# KiCad board panel.kicad_pcb (continued)
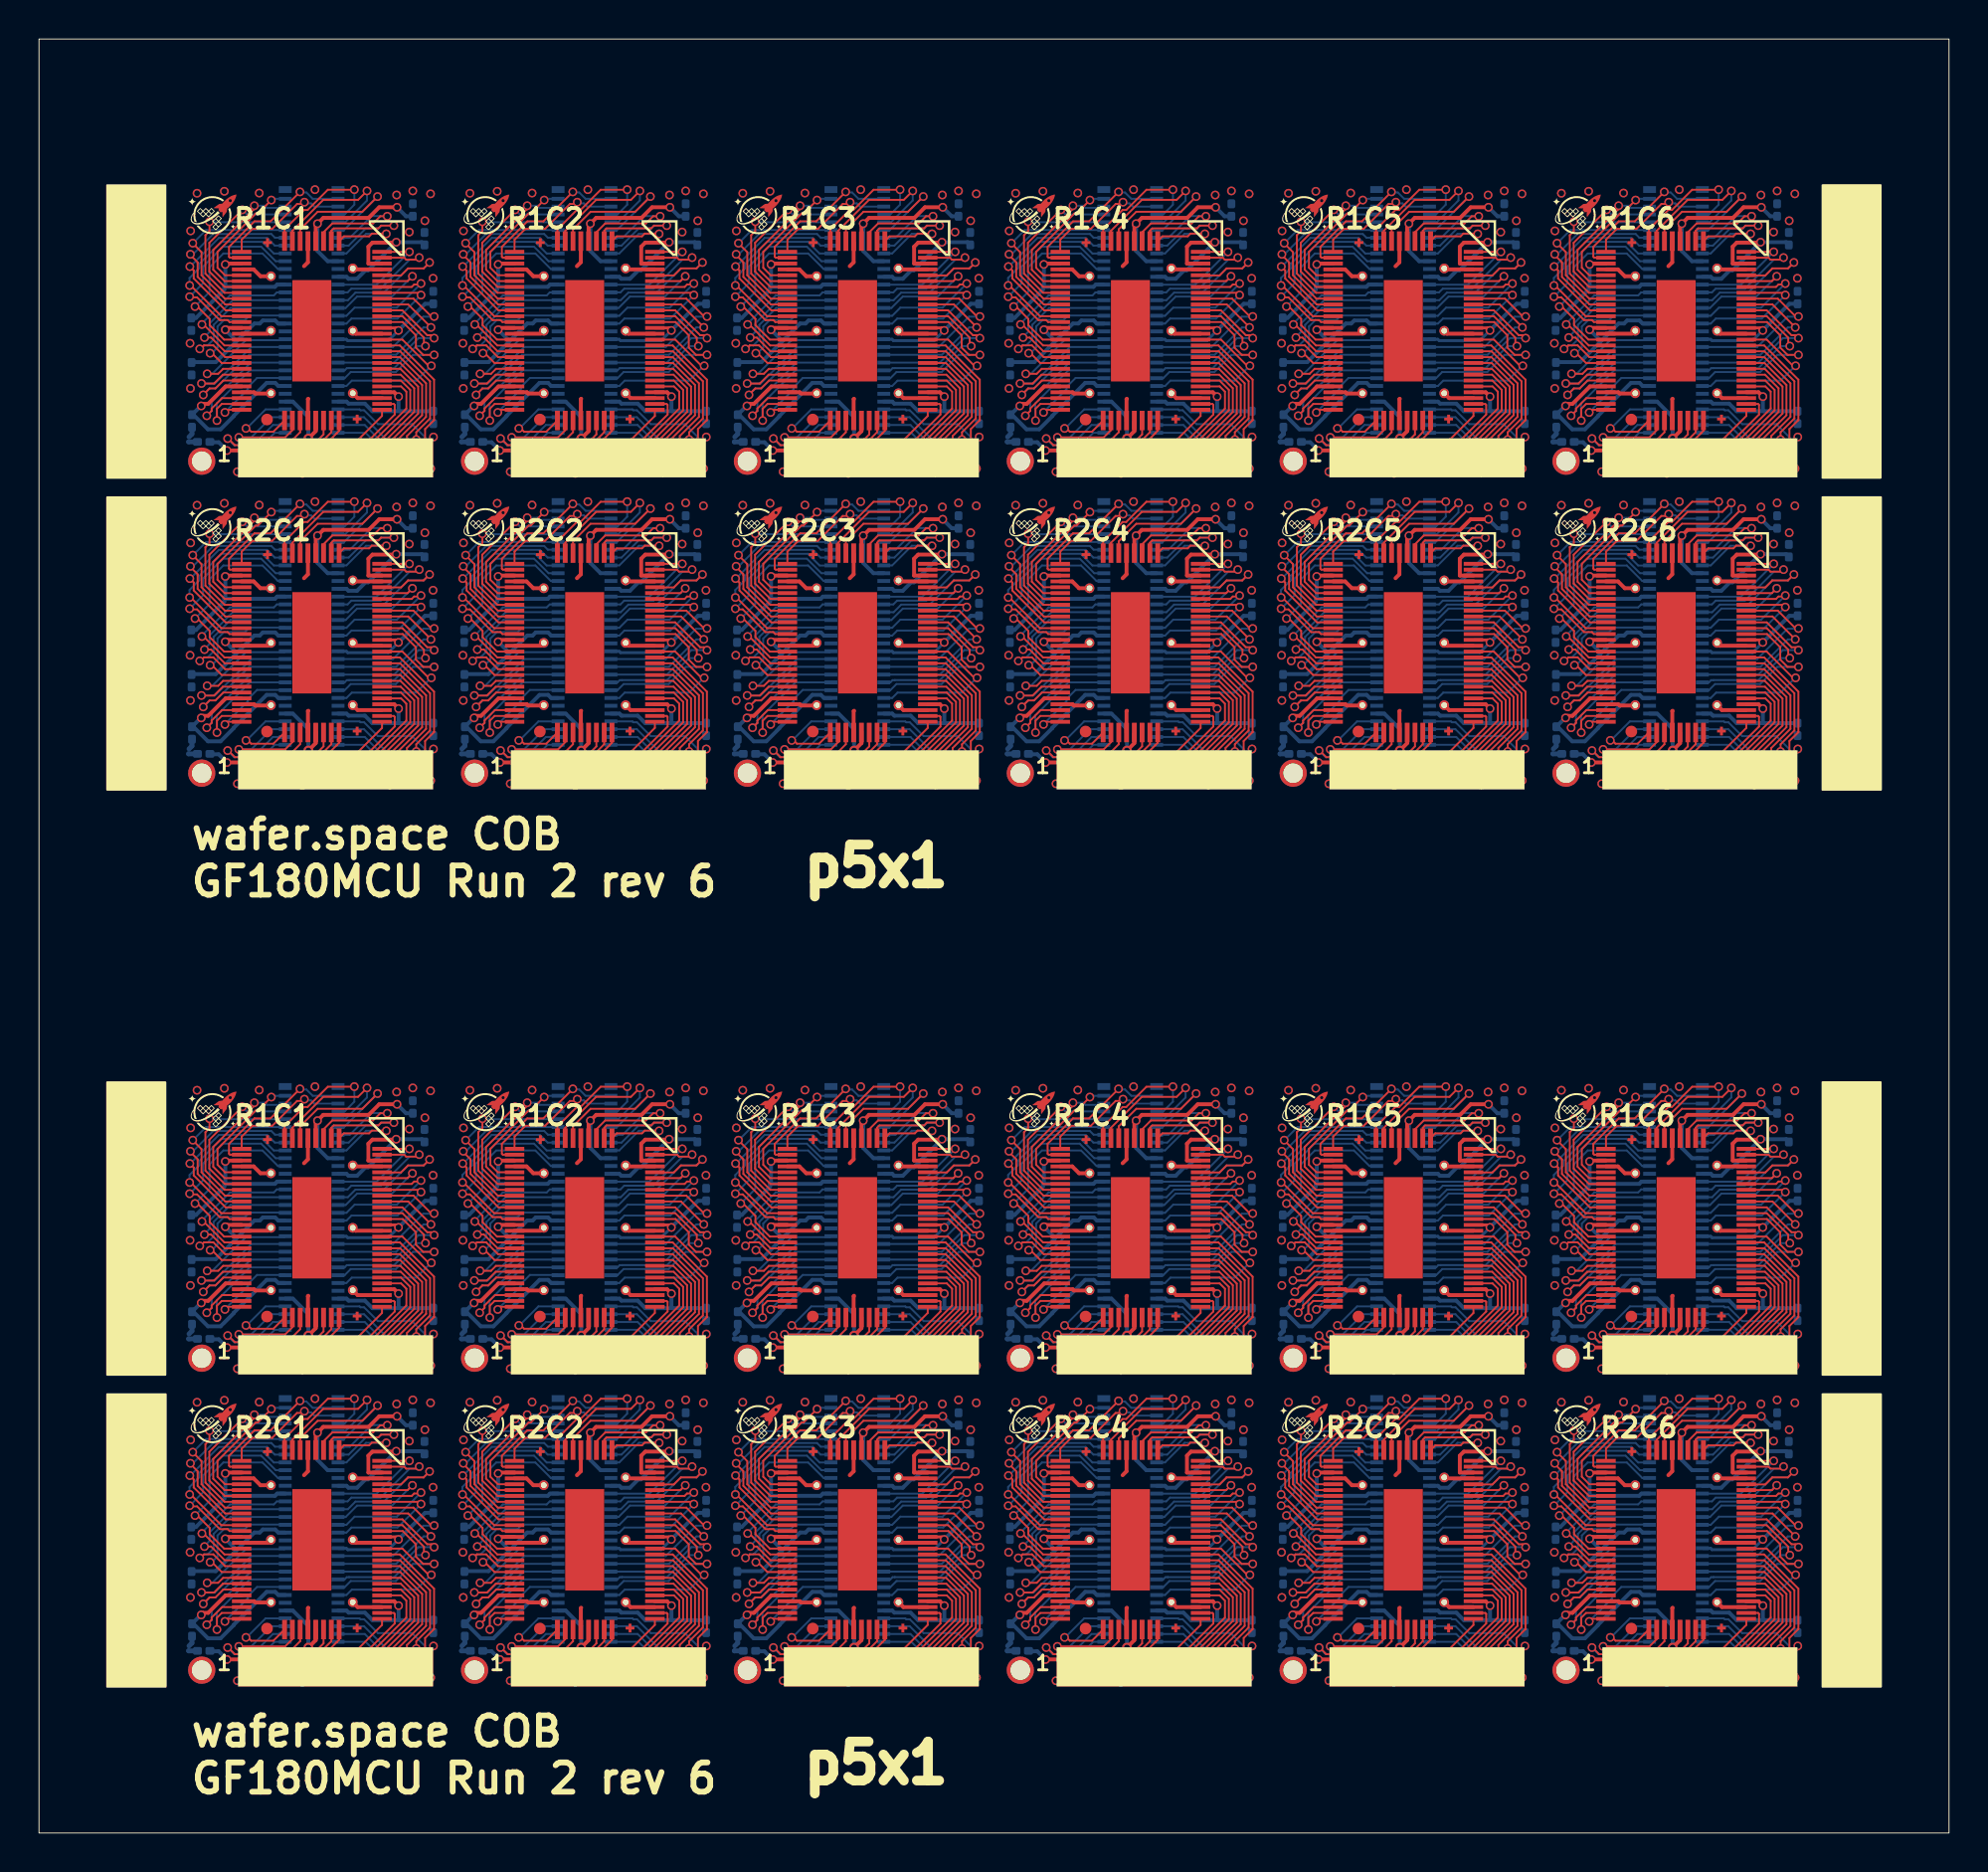
[diagram p0: board, top side]
## Routing (per net, layer and track width the routed paths; a pad name or vN(x,y) marks a point on that pad's centre or on a via; arc(x,y) is an arc through that point) (continued)
  Bottom w0.1: 12.64,80.21 12.26,80.21 11.47,81 9.46,81 8.75,80.29 8.75,79.02 v1(8.01,78.28) ; 54.64,34.21 54.26,34.21 53.47,35 51.46,35 50.75,34.29 50.75,33.02 v1(50.01,32.28) ; v1(36.01,62.28) 36.75,63.02 36.75,64.29 37.46,65 39.47,65 40.26,64.21 40.64,64.21 ; v1(50.01,62.28) 50.75,63.02 50.75,64.29 51.46,65 53.47,65 54.26,64.21 54.64,64.21 ; 54.64,80.21 54.26,80.21 53.47,81 51.46,81 50.75,80.29 50.75,79.02 v1(50.01,78.28) ; 12.64,18.21 12.26,18.21 11.47,19 9.46,19 8.75,18.29 8.75,17.02 v1(8.01,16.28) ; v1(22.01,32.28) 22.75,33.02 22.75,34.29 23.46,35 25.47,35 26.26,34.21 26.64,34.21 ; v1(22.01,62.28) 22.75,63.02 22.75,64.29 23.46,65 25.47,65 26.26,64.21 26.64,64.21 ; v1(64.01,62.28) 64.75,63.02 64.75,64.29 65.46,65 67.47,65 68.26,64.21 68.64,64.21 ; 54.64,18.21 54.26,18.21 53.47,19 51.46,19 50.75,18.29 50.75,17.02 v1(50.01,16.28) ; v1(78.01,32.28) 78.75,33.02 78.75,34.29 79.46,35 81.47,35 82.26,34.21 U111.26 ; v1(36.01,32.28) 36.75,33.02 36.75,34.29 37.46,35 39.47,35 40.26,34.21 40.64,34.21 ; 68.64,80.21 68.26,80.21 67.47,81 65.46,81 64.75,80.29 64.75,79.02 v1(64.01,78.28) ; U123.26 82.26,18.21 81.47,19 79.46,19 78.75,18.29 78.75,17.02 v1(78.01,16.28) ; 40.64,80.21 40.26,80.21 39.47,81 37.46,81 36.75,80.29 36.75,79.02 v1(36.01,78.28) ; U123#2.26 82.26,64.21 81.47,65 79.46,65 78.75,64.29 78.75,63.02 v1(78.01,62.28) ; 40.64,18.21 40.26,18.21 39.47,19 37.46,19 36.75,18.29 36.75,17.02 v1(36.01,16.28) ; v1(8.01,32.28) 8.75,33.02 8.75,34.29 9.46,35 11.47,35 12.26,34.21 12.64,34.21 ; v1(8.01,62.28) 8.75,63.02 8.75,64.29 9.46,65 11.47,65 12.26,64.21 12.64,64.21 ; v1(64.01,32.28) 64.75,33.02 64.75,34.29 65.46,35 67.47,35 68.26,34.21 68.64,34.21 ; v1(64.01,16.28) 64.75,17.02 64.75,18.29 65.46,19 67.47,19 68.26,18.21 68.64,18.21 ; 26.64,18.21 26.26,18.21 25.47,19 23.46,19 22.75,18.29 22.75,17.02 v1(22.01,16.28) ; v1(78.01,78.28) 78.75,79.02 78.75,80.29 79.46,81 81.47,81 82.26,80.21 82.64,80.21 ; 26.64,80.21 26.26,80.21 25.47,81 23.46,81 22.75,80.29 22.75,79.02 v1(22.01,78.28)
/bidir_34: length 179.3
  Top w0.1: U112.61 79.52,30.29 78.44,31.36 v1(78.36,31.36) ; v1(64.36,61.36) 64.44,61.36 65.52,60.29 U122.61 ; v1(50.36,61.36) 50.44,61.36 51.52,60.29 U120#2.61 ; v1(78.36,77.36) 78.44,77.36 79.52,76.29 U112#2.61 ; U106.61 37.52,30.29 36.44,31.36 v1(36.36,31.36) ; U104.61 23.52,76.29 22.44,77.36 v1(22.36,77.36) ; U116.61 23.52,60.29 22.44,61.36 v1(22.36,61.36) ; U108#2.61 51.52,76.29 50.44,77.36 v1(50.36,77.36) ; U102#2.61 9.52,30.29 8.44,31.36 v1(8.36,31.36) ; v1(22.36,15.36) 22.44,15.36 23.52,14.29 U116#2.61 ; U124.61 79.52,14.29 78.44,15.36 v1(78.36,15.36) ; v1(8.36,15.36) 8.44,15.36 9.52,14.29 U114#2.61 ; v1(36.36,61.36) 36.44,61.36 37.52,60.29 U118#2.61 ; v1(22.36,31.36) 22.44,31.36 23.52,30.29 U104#2.61 ; U102.61 9.52,76.29 8.44,77.36 v1(8.36,77.36) ; v1(64.36,77.36) 64.44,77.36 65.52,76.29 U110.61 ; U124#2.61 79.52,60.29 78.44,61.36 v1(78.36,61.36) ; v1(64.36,15.36) 64.44,15.36 65.52,14.29 U122#2.61 ; U108.61 51.52,30.29 50.44,31.36 v1(50.36,31.36) ; U106#2.61 37.52,76.29 36.44,77.36 v1(36.36,77.36) ; v1(64.36,31.36) 64.44,31.36 65.52,30.29 U110#2.61 ; v1(50.36,15.36) 50.44,15.36 51.52,14.29 U120.61 ; U114.61 9.52,60.29 8.44,61.36 v1(8.36,61.36) ; U118.61 37.52,14.29 36.44,15.36 v1(36.36,15.36)
  Bottom w0.1: v1(8.36,77.36) 8.36,77.41 9.8,78.85 12.05,78.85 12.2,79.01 12.64,79.01 ; 68.64,79.01 68.2,79.01 68.05,78.85 65.8,78.85 64.36,77.41 v1(64.36,77.36) ; 40.64,63.01 40.2,63.01 40.05,62.85 37.8,62.85 36.36,61.41 v1(36.36,61.36) ; v1(78.36,31.36) 78.36,31.41 79.8,32.85 82.05,32.85 82.2,33.01 U111.23 ; v1(78.36,77.36) 78.36,77.41 79.8,78.85 82.05,78.85 82.2,79.01 U111#2.23 ; v1(8.36,61.36) 8.36,61.41 9.8,62.85 12.05,62.85 12.2,63.01 12.64,63.01 ; 54.64,63.01 54.2,63.01 54.05,62.85 51.8,62.85 50.36,61.41 v1(50.36,61.36) ; v1(22.36,61.36) 22.36,61.41 23.8,62.85 26.05,62.85 26.2,63.01 26.64,63.01 ; v1(64.36,31.36) 64.36,31.41 65.8,32.85 68.05,32.85 68.2,33.01 68.64,33.01 ; 68.64,63.01 68.2,63.01 68.05,62.85 65.8,62.85 64.36,61.41 v1(64.36,61.36) ; 68.64,17.01 68.2,17.01 68.05,16.85 65.8,16.85 64.36,15.41 v1(64.36,15.36) ; v1(36.36,15.36) 36.36,15.41 37.8,16.85 40.05,16.85 40.2,17.01 40.64,17.01 ; 54.64,33.01 54.2,33.01 54.05,32.85 51.8,32.85 50.36,31.41 v1(50.36,31.36) ; v1(8.36,31.36) 8.36,31.41 9.8,32.85 12.05,32.85 12.2,33.01 12.64,33.01 ; v1(22.36,31.36) 22.36,31.41 23.8,32.85 26.05,32.85 26.2,33.01 26.64,33.01 ; U123#2.23 82.2,63.01 82.05,62.85 79.8,62.85 78.36,61.41 v1(78.36,61.36) ; 12.64,17.01 12.2,17.01 12.05,16.85 9.8,16.85 8.36,15.41 v1(8.36,15.36) ; v1(50.36,15.36) 50.36,15.41 51.8,16.85 54.05,16.85 54.2,17.01 54.64,17.01 ; 54.64,79.01 54.2,79.01 54.05,78.85 51.8,78.85 50.36,77.41 v1(50.36,77.36) ; U123.23 82.2,17.01 82.05,16.85 79.8,16.85 78.36,15.41 v1(78.36,15.36) ; 26.64,17.01 26.2,17.01 26.05,16.85 23.8,16.85 22.36,15.41 v1(22.36,15.36) ; v1(36.36,77.36) 36.36,77.41 37.8,78.85 40.05,78.85 40.2,79.01 40.64,79.01 ; v1(22.36,77.36) 22.36,77.41 23.8,78.85 26.05,78.85 26.2,79.01 26.64,79.01 ; v1(36.36,31.36) 36.36,31.41 37.8,32.85 40.05,32.85 40.2,33.01 40.64,33.01
/bidir_35: length 177.9
  Top w0.1: U112.62 79.53,29.98 78.83,30.69 v1(78.49,30.69) ; v1(64.49,76.69) 64.83,76.69 65.53,75.98 U110.62 ; v1(8.49,14.69) 8.83,14.69 9.53,13.98 U114#2.62 ; U122.62 65.53,59.98 64.83,60.69 v1(64.49,60.69) ; v1(36.49,14.69) 36.83,14.69 37.53,13.98 U118.62 ; v1(8.49,30.69) 8.83,30.69 9.53,29.98 U102#2.62 ; U124.62 79.53,13.98 78.83,14.69 v1(78.49,14.69) ; U106#2.62 37.53,75.98 36.83,76.69 v1(36.49,76.69) ; U124#2.62 79.53,59.98 78.83,60.69 v1(78.49,60.69) ; U110#2.62 65.53,29.98 64.83,30.69 v1(64.49,30.69) ; U116#2.62 23.53,13.98 22.83,14.69 v1(22.49,14.69) ; U104.62 23.53,75.98 22.83,76.69 v1(22.49,76.69) ; U108.62 51.53,29.98 50.83,30.69 v1(50.49,30.69) ; U108#2.62 51.53,75.98 50.83,76.69 v1(50.49,76.69) ; v1(50.49,14.69) 50.83,14.69 51.53,13.98 U120.62 ; v1(36.49,30.69) 36.83,30.69 37.53,29.98 U106.62 ; U120#2.62 51.53,59.98 50.83,60.69 v1(50.49,60.69) ; v1(78.49,76.69) 78.83,76.69 79.53,75.98 U112#2.62 ; U118#2.62 37.53,59.98 36.83,60.69 v1(36.49,60.69) ; v1(22.49,30.69) 22.83,30.69 23.53,29.98 U104#2.62 ; v1(64.49,14.69) 64.83,14.69 65.53,13.98 U122#2.62 ; v1(8.49,60.69) 8.83,60.69 9.53,59.98 U114.62 ; v1(8.49,76.69) 8.83,76.69 9.53,75.98 U102.62 ; U116.62 23.53,59.98 22.83,60.69 v1(22.49,60.69)
  Bottom w0.1: v1(8.49,14.69) 8.49,14.72 8.76,14.99 8.76,15.42 9.94,16.61 12.64,16.61 ; U111#2.22 79.94,78.61 78.76,77.42 78.76,76.99 78.49,76.72 v1(78.49,76.69) ; v1(78.49,60.69) 78.49,60.72 78.76,60.99 78.76,61.42 79.94,62.61 U123#2.22 ; v1(50.49,30.69) 50.49,30.72 50.76,30.99 50.76,31.42 51.94,32.61 54.64,32.61 ; 26.64,16.61 23.94,16.61 22.76,15.42 22.76,14.99 22.49,14.72 v1(22.49,14.69) ; 26.64,32.61 23.94,32.61 22.76,31.42 22.76,30.99 22.49,30.72 v1(22.49,30.69) ; v1(36.49,76.69) 36.49,76.72 36.76,76.99 36.76,77.42 37.94,78.61 40.64,78.61 ; 12.64,62.61 9.94,62.61 8.76,61.42 8.76,60.99 8.49,60.72 v1(8.49,60.69) ; 40.64,32.61 37.94,32.61 36.76,31.42 36.76,30.99 36.49,30.72 v1(36.49,30.69) ; v1(64.49,76.69) 64.49,76.72 64.76,76.99 64.76,77.42 65.94,78.61 68.64,78.61 ; v1(64.49,14.69) 64.49,14.72 64.76,14.99 64.76,15.42 65.94,16.61 68.64,16.61 ; 54.64,16.61 51.94,16.61 50.76,15.42 50.76,14.99 50.49,14.72 v1(50.49,14.69) ; 40.64,62.61 37.94,62.61 36.76,61.42 36.76,60.99 36.49,60.72 v1(36.49,60.69) ; 54.64,62.61 51.94,62.61 50.76,61.42 50.76,60.99 50.49,60.72 v1(50.49,60.69) ; 68.64,62.61 65.94,62.61 64.76,61.42 64.76,60.99 64.49,60.72 v1(64.49,60.69) ; 68.64,32.61 65.94,32.61 64.76,31.42 64.76,30.99 64.49,30.72 v1(64.49,30.69) ; v1(8.49,76.69) 8.49,76.72 8.76,76.99 8.76,77.42 9.94,78.61 12.64,78.61 ; v1(78.49,14.69) 78.49,14.72 78.76,14.99 78.76,15.42 79.94,16.61 U123.22 ; v1(8.49,30.69) 8.49,30.72 8.76,30.99 8.76,31.42 9.94,32.61 12.64,32.61 ; 26.64,62.61 23.94,62.61 22.76,61.42 22.76,60.99 22.49,60.72 v1(22.49,60.69) ; v1(50.49,76.69) 50.49,76.72 50.76,76.99 50.76,77.42 51.94,78.61 54.64,78.61 ; v1(36.49,14.69) 36.49,14.72 36.76,14.99 36.76,15.42 37.94,16.61 40.64,16.61 ; 26.64,78.61 23.94,78.61 22.76,77.42 22.76,76.99 22.49,76.72 v1(22.49,76.69) ; v1(78.49,30.69) 78.49,30.72 78.76,30.99 78.76,31.42 79.94,32.61 U111.22
/bidir_36: length 196
  Top w0.1: v1(8.25,76.11) 8.28,76.14 8.32,76.14 8.47,76.29 8.95,76.29 9.55,75.69 U102.63 ; 24.4,29.69 23.55,29.69 22.95,30.29 22.47,30.29 22.32,30.14 22.28,30.14 v1(22.25,30.11) ; 38.4,13.69 37.55,13.69 36.95,14.29 36.47,14.29 36.32,14.14 36.28,14.14 v1(36.25,14.11) ; U104.63 23.55,75.69 22.95,76.29 22.47,76.29 22.32,76.14 22.28,76.14 v1(22.25,76.11) ; U108#2.63 51.55,75.69 50.95,76.29 50.47,76.29 50.32,76.14 50.28,76.14 v1(50.25,76.11) ; 52.4,29.69 51.55,29.69 50.95,30.29 50.47,30.29 50.32,30.14 50.28,30.14 v1(50.25,30.11) ; v1(78.25,14.11) 78.28,14.14 78.32,14.14 78.47,14.29 78.95,14.29 79.55,13.69 80.4,13.69 ; 80.4,59.69 79.55,59.69 78.95,60.29 78.47,60.29 78.32,60.14 78.28,60.14 v1(78.25,60.11) ; 38.4,59.69 37.55,59.69 36.95,60.29 36.47,60.29 36.32,60.14 36.28,60.14 v1(36.25,60.11) ; v1(36.25,76.11) 36.28,76.14 36.32,76.14 36.47,76.29 36.95,76.29 37.55,75.69 U106#2.63 ; 38.4,29.69 37.55,29.69 36.95,30.29 36.47,30.29 36.32,30.14 36.28,30.14 v1(36.25,30.11) ; 10.4,29.69 9.55,29.69 8.95,30.29 8.47,30.29 8.32,30.14 8.28,30.14 v1(8.25,30.11) ; 66.4,13.69 65.55,13.69 64.95,14.29 64.47,14.29 64.32,14.14 64.28,14.14 v1(64.25,14.11) ; v1(50.25,14.11) 50.28,14.14 50.32,14.14 50.47,14.29 50.95,14.29 51.55,13.69 52.4,13.69 ; v1(50.25,60.11) 50.28,60.14 50.32,60.14 50.47,60.29 50.95,60.29 51.55,59.69 52.4,59.69 ; U112#2.63 79.55,75.69 78.95,76.29 78.47,76.29 78.32,76.14 78.28,76.14 v1(78.25,76.11) ; 24.4,59.69 23.55,59.69 22.95,60.29 22.47,60.29 22.32,60.14 22.28,60.14 v1(22.25,60.11) ; v1(78.25,30.11) 78.28,30.14 78.32,30.14 78.47,30.29 78.95,30.29 79.55,29.69 80.4,29.69 ; v1(8.25,60.11) 8.28,60.14 8.32,60.14 8.47,60.29 8.95,60.29 9.55,59.69 10.4,59.69 ; 24.4,13.69 23.55,13.69 22.95,14.29 22.47,14.29 22.32,14.14 22.28,14.14 v1(22.25,14.11) ; v1(64.25,76.11) 64.28,76.14 64.32,76.14 64.47,76.29 64.95,76.29 65.55,75.69 U110.63 ; 66.4,59.69 65.55,59.69 64.95,60.29 64.47,60.29 64.32,60.14 64.28,60.14 v1(64.25,60.11) ; v1(8.25,14.11) 8.28,14.14 8.32,14.14 8.47,14.29 8.95,14.29 9.55,13.69 10.4,13.69 ; 66.4,29.69 65.55,29.69 64.95,30.29 64.47,30.29 64.32,30.14 64.28,30.14 v1(64.25,30.11)
  Bottom w0.1: v1(64.25,14.11) 64.28,14.14 64.32,14.14 64.47,14.29 64.65,14.29 64.96,14.59 64.96,15.34 65.83,16.21 68.64,16.21 ; U123#2.21 79.83,62.21 78.96,61.34 78.96,60.59 78.65,60.29 78.47,60.29 78.32,60.14 78.28,60.14 v1(78.25,60.11) ; v1(36.25,60.11) 36.28,60.14 36.32,60.14 36.47,60.29 36.65,60.29 36.96,60.59 36.96,61.34 37.83,62.21 40.64,62.21 ; 40.64,16.21 37.83,16.21 36.96,15.34 36.96,14.59 36.65,14.29 36.47,14.29 36.32,14.14 36.28,14.14 v1(36.25,14.11) ; v1(50.25,14.11) 50.28,14.14 50.32,14.14 50.47,14.29 50.65,14.29 50.96,14.59 50.96,15.34 51.83,16.21 54.64,16.21 ; v1(8.25,30.11) 8.28,30.14 8.32,30.14 8.47,30.29 8.65,30.29 8.96,30.59 8.96,31.34 9.83,32.21 12.64,32.21 ; v1(78.25,14.11) 78.28,14.14 78.32,14.14 78.47,14.29 78.65,14.29 78.96,14.59 78.96,15.34 79.83,16.21 U123.21 ; v1(8.25,60.11) 8.28,60.14 8.32,60.14 8.47,60.29 8.65,60.29 8.96,60.59 8.96,61.34 9.83,62.21 12.64,62.21 ; v1(64.25,30.11) 64.28,30.14 64.32,30.14 64.47,30.29 64.65,30.29 64.96,30.59 64.96,31.34 65.83,32.21 68.64,32.21 ; v1(64.25,76.11) 64.28,76.14 64.32,76.14 64.47,76.29 64.65,76.29 64.96,76.59 64.96,77.34 65.83,78.21 68.64,78.21 ; 26.64,78.21 23.83,78.21 22.96,77.34 22.96,76.59 22.65,76.29 22.47,76.29 22.32,76.14 22.28,76.14 v1(22.25,76.11) ; v1(22.25,30.11) 22.28,30.14 22.32,30.14 22.47,30.29 22.65,30.29 22.96,30.59 22.96,31.34 23.83,32.21 26.64,32.21 ; v1(50.25,30.11) 50.28,30.14 50.32,30.14 50.47,30.29 50.65,30.29 50.96,30.59 50.96,31.34 51.83,32.21 54.64,32.21 ; 40.64,78.21 37.83,78.21 36.96,77.34 36.96,76.59 36.65,76.29 36.47,76.29 36.32,76.14 36.28,76.14 v1(36.25,76.11) ; 40.64,32.21 37.83,32.21 36.96,31.34 36.96,30.59 36.65,30.29 36.47,30.29 36.32,30.14 36.28,30.14 v1(36.25,30.11) ; 54.64,62.21 51.83,62.21 50.96,61.34 50.96,60.59 50.65,60.29 50.47,60.29 50.32,60.14 50.28,60.14 v1(50.25,60.11) ; 26.64,16.21 23.83,16.21 22.96,15.34 22.96,14.59 22.65,14.29 22.47,14.29 22.32,14.14 22.28,14.14 v1(22.25,14.11) ; 26.64,62.21 23.83,62.21 22.96,61.34 22.96,60.59 22.65,60.29 22.47,60.29 22.32,60.14 22.28,60.14 v1(22.25,60.11) ; v1(78.25,30.11) 78.28,30.14 78.32,30.14 78.47,30.29 78.65,30.29 78.96,30.59 78.96,31.34 79.83,32.21 U111.21 ; 12.64,78.21 9.83,78.21 8.96,77.34 8.96,76.59 8.65,76.29 8.47,76.29 8.32,76.14 8.28,76.14 v1(8.25,76.11) ; v1(78.25,76.11) 78.28,76.14 78.32,76.14 78.47,76.29 78.65,76.29 78.96,76.59 78.96,77.34 79.83,78.21 82.64,78.21 ; 54.64,78.21 51.83,78.21 50.96,77.34 50.96,76.59 50.65,76.29 50.47,76.29 50.32,76.14 50.28,76.14 v1(50.25,76.11) ; v1(8.25,14.11) 8.28,14.14 8.32,14.14 8.47,14.29 8.65,14.29 8.96,14.59 8.96,15.34 9.83,16.21 12.64,16.21 ; v1(64.25,60.11) 64.28,60.14 64.32,60.14 64.47,60.29 64.65,60.29 64.96,60.59 64.96,61.34 65.83,62.21 68.64,62.21
/bidir_37: length 170.8
  Top w0.1: 52.4,75.38 51.38,75.39 50.87,75.89 v1(50.78,75.89) ; 10.4,75.38 9.38,75.39 8.87,75.89 v1(8.78,75.89) ; v1(8.78,59.89) 8.87,59.89 9.38,59.39 U114.64 ; U124#2.64 79.38,59.39 78.87,59.89 v1(78.78,59.89) ; v1(36.78,75.89) 36.87,75.89 37.38,75.39 38.4,75.38 ; U120#2.64 51.38,59.39 50.87,59.89 v1(50.78,59.89) ; v1(78.78,13.89) 78.87,13.89 79.38,13.39 U124.64 ; U102#2.64 9.38,29.39 8.87,29.89 v1(8.78,29.89) ; U116.64 23.38,59.39 22.87,59.89 v1(22.78,59.89) ; v1(22.78,75.89) 22.87,75.89 23.38,75.39 24.4,75.38 ; U120.64 51.38,13.39 50.87,13.89 v1(50.78,13.89) ; v1(78.78,75.89) 78.87,75.89 79.38,75.39 80.4,75.38 ; v1(36.78,29.89) 36.87,29.89 37.38,29.39 U106.64 ; U114#2.64 9.38,13.39 8.87,13.89 v1(8.78,13.89) ; U118.64 37.38,13.39 36.87,13.89 v1(36.78,13.89) ; U122#2.64 65.38,13.39 64.87,13.89 v1(64.78,13.89) ; v1(78.78,29.89) 78.87,29.89 79.38,29.39 U112.64 ; v1(50.78,29.89) 50.87,29.89 51.38,29.39 U108.64 ; v1(36.78,59.89) 36.87,59.89 37.38,59.39 U118#2.64 ; v1(64.78,29.89) 64.87,29.89 65.38,29.39 U110#2.64 ; v1(22.78,29.89) 22.87,29.89 23.38,29.39 U104#2.64 ; U122.64 65.38,59.39 64.87,59.89 v1(64.78,59.89) ; U116#2.64 23.38,13.39 22.87,13.89 v1(22.78,13.89) ; 66.4,75.38 65.38,75.39 64.87,75.89 v1(64.78,75.89)
  Bottom w0.1: v1(22.78,59.89) 22.87,59.89 23.16,60.18 23.16,61.26 23.49,61.59 24.57,61.59 24.8,61.82 26.62,61.82 26.64,61.81 ; 12.64,31.81 12.62,31.82 10.8,31.82 10.57,31.59 9.49,31.59 9.16,31.26 9.16,30.18 8.87,29.89 v1(8.78,29.89) ; v1(8.78,75.89) 8.87,75.89 9.16,76.18 9.16,77.26 9.49,77.59 10.57,77.59 10.8,77.82 12.62,77.82 12.64,77.81 ; v1(36.78,29.89) 36.87,29.89 37.16,30.18 37.16,31.26 37.49,31.59 38.57,31.59 38.8,31.82 40.62,31.82 40.64,31.81 ; 68.64,15.81 68.62,15.82 66.8,15.82 66.57,15.59 65.49,15.59 65.16,15.26 65.16,14.18 64.87,13.89 v1(64.78,13.89) ; v1(78.78,75.89) 78.87,75.89 79.16,76.18 79.16,77.26 79.49,77.59 80.57,77.59 80.8,77.82 82.62,77.82 U111#2.20 ; 54.64,77.81 54.62,77.82 52.8,77.82 52.57,77.59 51.49,77.59 51.16,77.26 51.16,76.18 50.87,75.89 v1(50.78,75.89) ; v1(50.78,29.89) 50.87,29.89 51.16,30.18 51.16,31.26 51.49,31.59 52.57,31.59 52.8,31.82 54.62,31.82 54.64,31.81 ; v1(78.78,29.89) 78.87,29.89 79.16,30.18 79.16,31.26 79.49,31.59 80.57,31.59 80.8,31.82 82.62,31.82 U111.20 ; v1(78.78,13.89) 78.87,13.89 79.16,14.18 79.16,15.26 79.49,15.59 80.57,15.59 80.8,15.82 82.62,15.82 U123.20 ; 54.64,61.81 54.62,61.82 52.8,61.82 52.57,61.59 51.49,61.59 51.16,61.26 51.16,60.18 50.87,59.89 v1(50.78,59.89) ; v1(50.78,13.89) 50.87,13.89 51.16,14.18 51.16,15.26 51.49,15.59 52.57,15.59 52.8,15.82 54.62,15.82 54.64,15.81 ; 12.64,15.81 12.62,15.82 10.8,15.82 10.57,15.59 9.49,15.59 9.16,15.26 9.16,14.18 8.87,13.89 v1(8.78,13.89) ; v1(36.78,75.89) 36.87,75.89 37.16,76.18 37.16,77.26 37.49,77.59 38.57,77.59 38.8,77.82 40.62,77.82 40.64,77.81 ; v1(64.78,75.89) 64.87,75.89 65.16,76.18 65.16,77.26 65.49,77.59 66.57,77.59 66.8,77.82 68.62,77.82 68.64,77.81 ; v1(22.78,75.89) 22.87,75.89 23.16,76.18 23.16,77.26 23.49,77.59 24.57,77.59 24.8,77.82 26.62,77.82 26.64,77.81 ; v1(8.78,59.89) 8.87,59.89 9.16,60.18 9.16,61.26 9.49,61.59 10.57,61.59 10.8,61.82 12.62,61.82 12.64,61.81 ; v1(64.78,29.89) 64.87,29.89 65.16,30.18 65.16,31.26 65.49,31.59 66.57,31.59 66.8,31.82 68.62,31.82 68.64,31.81 ; U123#2.20 82.62,61.82 80.8,61.82 80.57,61.59 79.49,61.59 79.16,61.26 79.16,60.18 78.87,59.89 v1(78.78,59.89) ; 68.64,61.81 68.62,61.82 66.8,61.82 66.57,61.59 65.49,61.59 65.16,61.26 65.16,60.18 64.87,59.89 v1(64.78,59.89) ; 40.64,15.81 40.62,15.82 38.8,15.82 38.57,15.59 37.49,15.59 37.16,15.26 37.16,14.18 36.87,13.89 v1(36.78,13.89) ; v1(22.78,29.89) 22.87,29.89 23.16,30.18 23.16,31.26 23.49,31.59 24.57,31.59 24.8,31.82 26.62,31.82 26.64,31.81 ; 26.64,15.81 26.62,15.82 24.8,15.82 24.57,15.59 23.49,15.59 23.16,15.26 23.16,14.18 22.87,13.89 v1(22.78,13.89) ; 40.64,61.81 40.62,61.82 38.8,61.82 38.57,61.59 37.49,61.59 37.16,61.26 37.16,60.18 36.87,59.89 v1(36.78,59.89)
/bidir_38: length 158.8
  Top w0.1: U124#2.65 79.45,59.09 79.19,58.83 v1(78.63,58.83) ; U122.65 65.45,59.09 65.19,58.83 v1(64.63,58.83) ; v1(22.63,28.83) 23.19,28.83 23.45,29.09 U104#2.65 ; U116.65 23.45,59.09 23.19,58.83 v1(22.63,58.83) ; U118.65 37.45,13.09 37.19,12.83 v1(36.63,12.83) ; U108#2.65 51.45,75.09 51.19,74.83 v1(50.63,74.83) ; U120.65 51.45,13.09 51.19,12.83 v1(50.63,12.83) ; v1(8.63,74.83) 9.19,74.83 9.45,75.09 U102.65 ; v1(8.63,58.83) 9.19,58.83 9.45,59.09 U114.65 ; U104.65 23.45,75.09 23.19,74.83 v1(22.63,74.83) ; U110#2.65 65.45,29.09 65.19,28.83 v1(64.63,28.83) ; U106#2.65 37.45,75.09 37.19,74.83 v1(36.63,74.83) ; U122#2.65 65.45,13.09 65.19,12.83 v1(64.63,12.83) ; v1(36.63,58.83) 37.19,58.83 37.45,59.09 U118#2.65 ; U102#2.65 9.45,29.09 9.19,28.83 v1(8.63,28.83) ; U112#2.65 79.45,75.09 79.19,74.83 v1(78.63,74.83) ; U106.65 37.45,29.09 37.19,28.83 v1(36.63,28.83) ; v1(64.63,74.83) 65.19,74.83 65.45,75.09 U110.65 ; U116#2.65 23.45,13.09 23.19,12.83 v1(22.63,12.83) ; U120#2.65 51.45,59.09 51.19,58.83 v1(50.63,58.83) ; U114#2.65 9.45,13.09 9.19,12.83 v1(8.63,12.83) ; U112.65 79.45,29.09 79.19,28.83 v1(78.63,28.83) ; v1(50.63,28.83) 51.19,28.83 51.45,29.09 U108.65 ; v1(78.63,12.83) 79.19,12.83 79.45,13.09 U124.65
  Bottom w0.1: v1(36.63,74.83) 36.89,74.83 38.61,76.55 40.58,76.56 40.64,76.61 ; 68.64,60.61 68.58,60.56 66.61,60.55 64.89,58.83 v1(64.63,58.83) ; v1(36.63,12.83) 36.89,12.83 38.61,14.55 40.58,14.56 40.64,14.61 ; v1(50.63,28.83) 50.89,28.83 52.61,30.55 54.58,30.56 54.64,30.61 ; v1(78.63,58.83) 78.89,58.83 80.61,60.55 82.58,60.56 U123#2.17 ; 54.64,76.61 54.58,76.56 52.61,76.55 50.89,74.83 v1(50.63,74.83) ; v1(36.63,28.83) 36.89,28.83 38.61,30.55 40.58,30.56 40.64,30.61 ; 40.64,60.61 40.58,60.56 38.61,60.55 36.89,58.83 v1(36.63,58.83) ; v1(8.63,74.83) 8.89,74.83 10.61,76.55 12.58,76.56 12.64,76.61 ; 54.64,60.61 54.58,60.56 52.61,60.55 50.89,58.83 v1(50.63,58.83) ; v1(8.63,28.83) 8.89,28.83 10.61,30.55 12.58,30.56 12.64,30.61 ; v1(50.63,12.83) 50.89,12.83 52.61,14.55 54.58,14.56 54.64,14.61 ; v1(22.63,12.83) 22.89,12.83 24.61,14.55 26.58,14.56 26.64,14.61 ; v1(64.63,74.83) 64.89,74.83 66.61,76.55 68.58,76.56 68.64,76.61 ; v1(64.63,28.83) 64.89,28.83 66.61,30.55 68.58,30.56 68.64,30.61 ; v1(22.63,28.83) 22.89,28.83 24.61,30.55 26.58,30.56 26.64,30.61 ; v1(78.63,74.83) 78.89,74.83 80.61,76.55 82.58,76.56 U111#2.17 ; U111.17 82.58,30.56 80.61,30.55 78.89,28.83 v1(78.63,28.83) ; v1(64.63,12.83) 64.89,12.83 66.61,14.55 68.58,14.56 68.64,14.61 ; 26.64,76.61 26.58,76.56 24.61,76.55 22.89,74.83 v1(22.63,74.83) ; 26.64,60.61 26.58,60.56 24.61,60.55 22.89,58.83 v1(22.63,58.83) ; v1(78.63,12.83) 78.89,12.83 80.61,14.55 82.58,14.56 U123.17 ; v1(8.63,58.83) 8.89,58.83 10.61,60.55 12.58,60.56 12.64,60.61 ; 12.64,14.61 12.58,14.56 10.61,14.55 8.89,12.83 v1(8.63,12.83)
/bidir_39: length 175.8
  Top w0.1: U120.66 51.44,12.78 50.98,12.33 50.34,12.33 v1(50.34,12.34) ; U120#2.66 51.44,58.78 50.98,58.33 50.34,58.33 v1(50.34,58.34) ; U110#2.66 65.44,28.78 64.98,28.33 64.34,28.33 v1(64.34,28.34) ; U102.66 9.44,74.78 8.98,74.33 8.34,74.33 v1(8.34,74.34) ; v1(78.34,28.34) 78.34,28.33 78.98,28.33 79.43,28.78 U112.66 ; U110.66 65.44,74.78 64.98,74.33 64.34,74.33 v1(64.34,74.34) ; U106#2.66 37.44,74.78 36.98,74.33 36.34,74.33 v1(36.34,74.34) ; v1(64.34,12.34) 64.34,12.33 64.98,12.33 65.44,12.78 U122#2.66 ; U104#2.66 23.44,28.78 22.98,28.33 22.34,28.33 v1(22.34,28.34) ; U118#2.66 37.44,58.78 36.98,58.33 36.34,58.33 v1(36.34,58.34) ; v1(8.34,28.34) 8.34,28.33 8.98,28.33 9.44,28.78 U102#2.66 ; U112#2.66 79.43,74.78 78.98,74.33 78.34,74.33 v1(78.34,74.34) ; U114.66 9.44,58.78 8.98,58.33 8.34,58.33 v1(8.34,58.34) ; U118.66 37.44,12.78 36.98,12.33 36.34,12.33 v1(36.34,12.34) ; v1(64.34,58.34) 64.34,58.33 64.98,58.33 65.44,58.78 U122.66 ; v1(8.34,12.34) 8.34,12.33 8.98,12.33 9.44,12.78 U114#2.66 ; U124#2.66 79.43,58.78 78.98,58.33 78.34,58.33 v1(78.34,58.34) ; v1(22.34,58.34) 22.34,58.33 22.98,58.33 23.44,58.78 U116.66 ; U108.66 51.44,28.78 50.98,28.33 50.34,28.33 v1(50.34,28.34) ; v1(22.34,12.34) 22.34,12.33 22.98,12.33 23.44,12.78 U116#2.66 ; v1(50.34,74.34) 50.34,74.33 50.98,74.33 51.44,74.78 U108#2.66 ; v1(78.34,12.34) 78.34,12.33 78.98,12.33 79.43,12.78 U124.66 ; v1(36.34,28.34) 36.34,28.33 36.98,28.33 37.44,28.78 U106.66 ; U104.66 23.44,74.78 22.98,74.33 22.34,74.33 v1(22.34,74.34)
  Bottom w0.1: 12.64,14.21 10.9,14.2 9.03,12.34 v1(8.34,12.34) ; 26.64,60.21 24.9,60.2 23.03,58.34 v1(22.34,58.34) ; 68.64,76.21 66.9,76.2 65.03,74.34 v1(64.34,74.34) ; v1(36.34,28.34) 37.03,28.34 38.9,30.2 40.64,30.21 ; 40.64,60.21 38.9,60.2 37.03,58.34 v1(36.34,58.34) ; 54.64,76.21 52.9,76.2 51.03,74.34 v1(50.34,74.34) ; U123.16 80.9,14.2 79.03,12.34 v1(78.34,12.34) ; U123#2.16 80.9,60.2 79.03,58.34 v1(78.34,58.34) ; 54.64,14.21 52.9,14.2 51.03,12.34 v1(50.34,12.34) ; v1(50.34,28.34) 51.03,28.34 52.9,30.2 54.64,30.21 ; v1(64.34,58.34) 65.03,58.34 66.9,60.2 68.64,60.21 ; 12.64,30.21 10.9,30.2 9.03,28.34 v1(8.34,28.34) ; v1(22.34,12.34) 23.03,12.34 24.9,14.2 26.64,14.21 ; v1(78.34,28.34) 79.03,28.34 80.9,30.2 U111.16 ; 82.64,76.21 80.9,76.2 79.03,74.34 v1(78.34,74.34) ; v1(8.34,58.34) 9.03,58.34 10.9,60.2 12.64,60.21 ; 54.64,60.21 52.9,60.2 51.03,58.34 v1(50.34,58.34) ; 68.64,14.21 66.9,14.2 65.03,12.34 v1(64.34,12.34) ; 12.64,76.21 10.9,76.2 9.03,74.34 v1(8.34,74.34) ; 26.64,76.21 24.9,76.2 23.03,74.34 v1(22.34,74.34) ; v1(64.34,28.34) 65.03,28.34 66.9,30.2 68.64,30.21 ; v1(36.34,12.34) 37.03,12.34 38.9,14.2 40.64,14.21 ; v1(36.34,74.34) 37.03,74.34 38.9,76.2 40.64,76.21 ; v1(22.34,28.34) 23.03,28.34 24.9,30.2 26.64,30.21
/bidir_40: length 176.1
  Top w0.1: v1(64.43,11.75) 64.43,11.76 64.75,12.08 65.05,12.08 65.45,12.48 U122#2.67 ; U114.67 9.45,58.48 9.05,58.08 8.75,58.08 8.43,57.76 v1(8.43,57.75) ; v1(8.43,73.75) 8.43,73.76 8.75,74.08 9.05,74.08 9.45,74.48 10.4,74.48 ; v1(36.43,11.75) 36.43,11.76 36.75,12.08 37.05,12.08 37.45,12.48 U118.67 ; v1(36.43,57.75) 36.43,57.76 36.75,58.08 37.05,58.08 37.45,58.48 U118#2.67 ; v1(50.43,27.75) 50.43,27.76 50.75,28.08 51.05,28.08 51.45,28.48 U108.67 ; v1(64.43,57.75) 64.43,57.76 64.75,58.08 65.05,58.08 65.45,58.48 U122.67 ; U124.67 79.45,12.48 79.05,12.08 78.75,12.08 78.43,11.76 v1(78.43,11.75) ; 38.4,74.48 37.45,74.48 37.05,74.08 36.75,74.08 36.43,73.76 v1(36.43,73.75) ; v1(8.43,11.75) 8.43,11.76 8.75,12.08 9.05,12.08 9.45,12.48 U114#2.67 ; v1(78.43,57.75) 78.43,57.76 78.75,58.08 79.05,58.08 79.45,58.48 U124#2.67 ; v1(36.43,27.75) 36.43,27.76 36.75,28.08 37.05,28.08 37.45,28.48 U106.67 ; 66.4,74.48 65.45,74.48 65.05,74.08 64.75,74.08 64.43,73.76 v1(64.43,73.75) ; v1(22.43,57.75) 22.43,57.76 22.75,58.08 23.05,58.08 23.45,58.48 U116.67 ; U104#2.67 23.45,28.48 23.05,28.08 22.75,28.08 22.43,27.76 v1(22.43,27.75) ; U116#2.67 23.45,12.48 23.05,12.08 22.75,12.08 22.43,11.76 v1(22.43,11.75) ; U120#2.67 51.45,58.48 51.05,58.08 50.75,58.08 50.43,57.76 v1(50.43,57.75) ; v1(50.43,11.75) 50.43,11.76 50.75,12.08 51.05,12.08 51.45,12.48 U120.67 ; v1(64.43,27.75) 64.43,27.76 64.75,28.08 65.05,28.08 65.45,28.48 U110#2.67 ; v1(78.43,27.75) 78.43,27.76 78.75,28.08 79.05,28.08 79.45,28.48 U112.67 ; v1(22.43,73.75) 22.43,73.76 22.75,74.08 23.05,74.08 23.45,74.48 24.4,74.48 ; 52.4,74.48 51.45,74.48 51.05,74.08 50.75,74.08 50.43,73.76 v1(50.43,73.75) ; v1(8.43,27.75) 8.43,27.76 8.75,28.08 9.05,28.08 9.45,28.48 U102#2.67 ; v1(78.43,73.75) 78.43,73.76 78.75,74.08 79.05,74.08 79.45,74.48 80.4,74.48
  Bottom w0.1: 12.64,29.81 10.78,29.8 9.06,28.08 8.76,28.08 v1(8.43,27.75) ; v1(50.43,57.75) 50.76,58.08 51.06,58.08 52.78,59.8 54.64,59.81 ; 40.64,75.81 38.78,75.8 37.06,74.08 36.76,74.08 v1(36.43,73.75) ; v1(50.43,73.75) 50.76,74.08 51.06,74.08 52.78,75.8 54.64,75.81 ; 82.64,29.81 80.79,29.8 79.06,28.08 78.76,28.08 v1(78.43,27.75) ; 40.64,29.81 38.78,29.8 37.06,28.08 36.76,28.08 v1(36.43,27.75) ; v1(50.43,11.75) 50.76,12.08 51.06,12.08 52.78,13.8 54.64,13.81 ; 12.64,75.81 10.78,75.8 9.06,74.08 8.76,74.08 v1(8.43,73.75) ; v1(64.43,73.75) 64.76,74.08 65.06,74.08 66.78,75.8 68.64,75.81 ; v1(78.43,57.75) 78.76,58.08 79.06,58.08 80.79,59.8 82.64,59.81 ; 54.64,29.81 52.78,29.8 51.06,28.08 50.76,28.08 v1(50.43,27.75) ; 82.64,13.81 80.79,13.8 79.06,12.08 78.76,12.08 v1(78.43,11.75) ; 12.64,13.81 10.78,13.8 9.06,12.08 8.76,12.08 v1(8.43,11.75) ; v1(64.43,57.75) 64.76,58.08 65.06,58.08 66.78,59.8 68.64,59.81 ; 26.64,59.81 24.78,59.8 23.06,58.08 22.76,58.08 v1(22.43,57.75) ; v1(36.43,57.75) 36.76,58.08 37.06,58.08 38.78,59.8 40.64,59.81 ; 12.64,59.81 10.78,59.8 9.06,58.08 8.76,58.08 v1(8.43,57.75) ; 68.64,13.81 66.78,13.8 65.06,12.08 64.76,12.08 v1(64.43,11.75) ; 68.64,29.81 66.78,29.8 65.06,28.08 64.76,28.08 v1(64.43,27.75) ; v1(22.43,27.75) 22.76,28.08 23.06,28.08 24.78,29.8 26.64,29.81 ; v1(78.43,73.75) 78.76,74.08 79.06,74.08 80.79,75.8 82.64,75.81 ; 26.64,75.81 24.78,75.8 23.06,74.08 22.76,74.08 v1(22.43,73.75) ; 40.64,13.81 38.78,13.8 37.06,12.08 36.76,12.08 v1(36.43,11.75) ; v1(22.43,11.75) 22.76,12.08 23.06,12.08 24.78,13.8 26.64,13.81
